# Altium PCB Coral Dev Board Micro.PcbDoc (part 4 of 6) (continued)
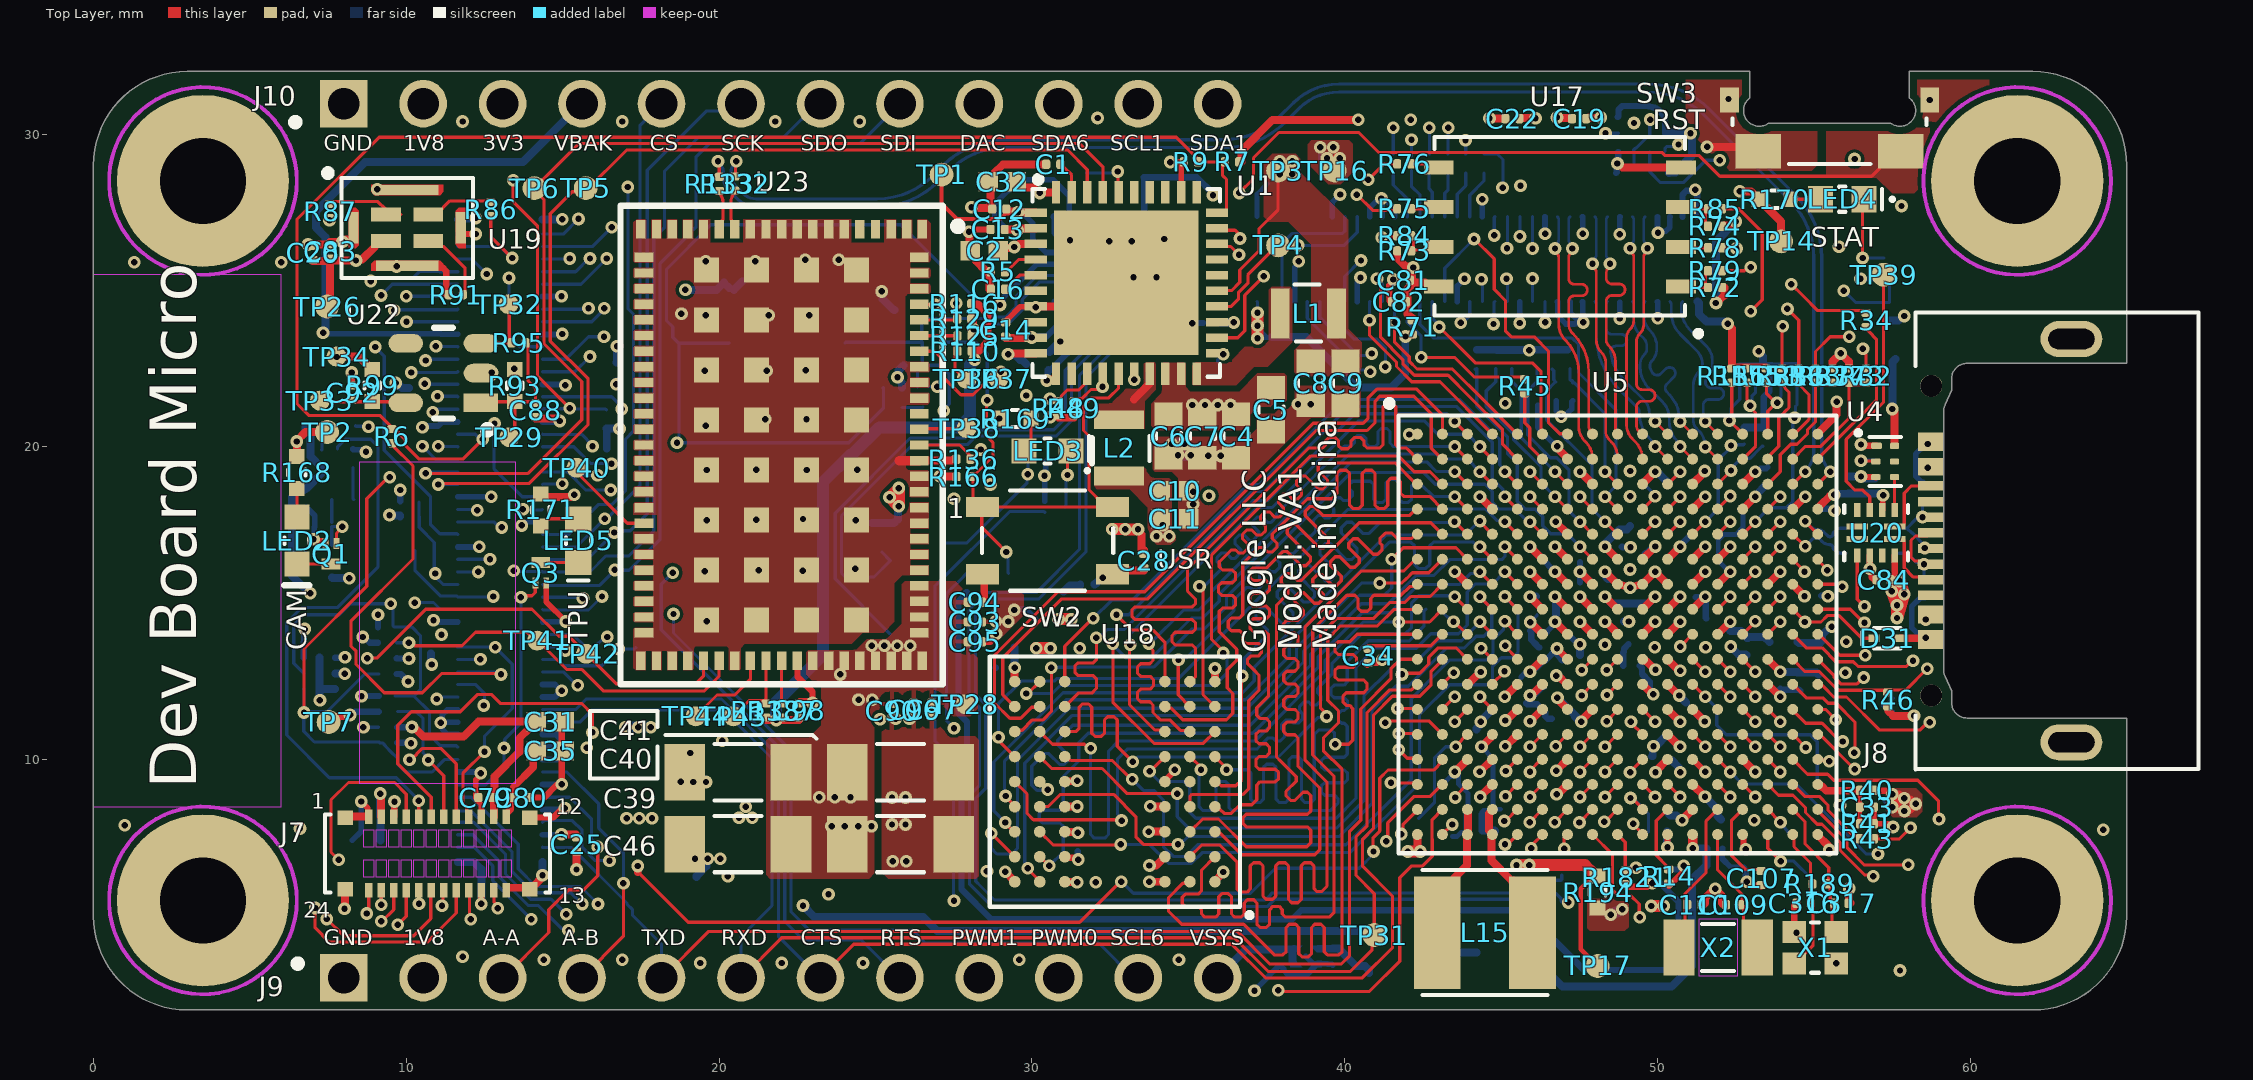
[diagram p0: Top Layer view]
## Nets (pads, with @x,y where several pads share a name; then routed paths per layer and width w, separated by ;. In a path a pad name is that pad's centre, name@x,y a point inside that pad or via, vN(x,y) a via of type N, cw(c..) or ccw(c..) an arc to the next point about the centre after c; other vN are vias at no path point) (continued)
MCM_1V8_R: C92.1 R99.1 TP33.1 U22.5 | length 2.7
  Top Layer w0.102: TP33.1@7.273,21.442 U22.5@9.949,21.442
MCM_3V3: C39.1 C40.1 C41.1 C42.1 C43.1 C44.1 C46.1 C90.1 C91.1 C93.1 C94.1 C95.1 C96.1 C97.1 C251.1 J6.6 R22.2 R93.1 R171.2 TP28.1 U5.D16 U23.56 U23.57 U23.58 U23.59 U23.60 U23.61 U23.62 U23.63 U23.64 U23.65 U23.66 U23.67 | length 84.8
  Top Layer w0.254: R171.2@14.3,18.496 14.406,18.39 15.25,18.39 15.326,18.466 v1(15.367,18.466) ; U5.D16@54.322,18.008 v1(54.722,18.408)
  L4 w0.381: v1@13.449,22.441 13.449,21.12 15.481,19.088 15.481,18.587 15.367,18.473 v1(15.367,18.466) ; v1(13.449,22.492) 13.449,22.499 13.462,22.511 13.462,24.498 14.478,25.514 18.337,25.514 18.565,25.743 18.99,25.743 19.295,25.438 24.036,25.438 24.163,25.565 25.783,25.565 26.27,25.078 26.27,20.123 24.943,18.796 24.943,17.59 25.667,16.866 27.447,16.866 29.324,18.743 29.324,19.281 29.805,19.761 30.094,19.761 31.077,20.744 31.077,22.833 31.42,23.176 31.42,24.308 31.979,24.867 37.44,24.867 40.945,21.361 43.764,21.361 44.729,20.396 45.533,20.396 ; v1(23.597,7.874) v1(24.021,7.874) v1(24.443,7.874) v1(24.872,7.874)
  L3 w0.381: v1(23.597,7.874) v1(24.021,7.874) v1(24.443,7.874) v1(24.872,7.874) ; v1(24.879,13.64) v1(25.286,13.64) v1(25.692,13.64) v1(26.111,13.64)
  L6 w0.381: v1(23.597,7.874) v1(24.021,7.874) v1(24.443,7.874) v1(24.872,7.874) ; v1(24.879,13.64) v1(25.286,13.64) v1(25.692,13.64) v1(26.111,13.64)
  L5 w0.381: v1(23.597,7.874) v1(24.021,7.874) v1(24.443,7.874) v1(24.872,7.874) ; v1(24.879,13.64) v1(25.286,13.64) v1(25.692,13.64) v1(26.111,13.64)
  Bottom Layer w0.102: R22.2@25.476,14.014 23.711,15.78 23.711,17.877 26.116,20.282 27.869,20.282 28.135,20.549 30.701,20.549 31.064,20.912 31.064,22.454 32.131,23.52 32.131,24.281 32.046,24.366 32.044,24.366 32,24.41 J6.6@32,24.645
  other v1: 23.2,8.8 23.7,8.8 24.2,8.8 24.46,11.913 24.892,11.913 23.876,12.725
MCM_3V3_SENSE: J6.8 R22.1 U21.4 | length 17
  Bottom Layer w0.102: R22.1@25.203,16.637 R22.1@25.476,16.364 24.952,15.84 24.826,15.84 24.734,15.748 24.13,15.748 23.914,15.964 23.914,17.793 26.2,20.079 27.953,20.079 28.219,20.345 30.785,20.345 31.267,20.828 31.267,22.369 32.334,23.436 32.334,24.306 32.356,24.328 32.356,24.601 J6.8@32.4,24.645
MCM_AON: R137.1 U23.54 | length 1.2
  Top Layer w0.102: 21.996,11.941 21.996,13.155 U23.54@22,13.158
MCM_AON_PMIC_EN: R138.1 TP43.1 U23.53 | length 2.5
  Top Layer w0.102: TP43.1@20.456,11.385 20.456,11.389 20.955,11.887 21.478,11.887 R138.1@21.498,11.867 ; R138.1@21.462,11.903 21.5,11.941 U23.53@21.5,13.158
MCM_BT_PHY_PRG: R116.1 R129.2 TP35.1 U23.84 | length 1.8
  Top Layer w0.102: U23.84@26.4,24.058 R129.2@27.538,24.058 ; R129.2@27.538,24.092 27.538,24.575 27.551,24.587 v1(27.584,24.587)
  Bottom Layer w0.102: v1(27.584,24.587) 27.635,24.587 27.65,24.572 TP35.1@27.663,24.572
MCM_LDO_EN: R95.1 TP32.1 U22.3 | length 2.2
  Top Layer w0.102: U22.3@12.391,23.316 12.891,23.316 R95.1@13.284,23.316 ; U22.3@12.891,23.308 U22.3@12.899,23.316 ; TP32.1@13.271,24.562 13.294,24.539 13.294,23.326 R95.1@13.291,23.323
MCM_LDO_IN: C88.1 R93.2 R95.2 TP29.1 U22.1 | length 4.9
  Top Layer w0.102: U22.1@12.383,21.408 12.419,21.444 R93.2@13.469,21.444 13.469,20.624 13.297,20.452 TP29.1@13.297,20.307 ; R93.2@13.487,21.438 13.494,21.444 14.13,21.444 14.13,21.877 13.891,22.115 R95.2@13.891,23.323
MCM_SD_ALARM: TP37.1 U5.L4 U23.82 | length 24.9
  Top Layer w0.102: U23.82@26.4,23.058 26.903,23.058 27.076,22.885 27.076,22.321 27.732,21.666 28.118,21.666 28.548,22.096 28.7,22.096 v1(29.007,22.403) ; U5.L4@44.722,12.408 44.722,12.423 45.11,12.812 v1(45.11,12.827)
  L3 w0.102: v1(29.007,22.403) 29.065,22.461 29.202,22.461 29.219,22.478 30.624,22.478 32.248,20.853 35.797,20.853 36.601,20.049 36.601,19.341 40.881,15.062 41.997,15.062 43.313,13.747 43.403,13.747 43.942,13.208 44.659,13.208 45.04,12.827 v1(45.11,12.827)
MCM_USB2_D_N: R133.2 U23.14 | length 1.2
  Top Layer w0.102: U23.14@20,26.958 U23.14@20.033,26.992 ; R133.2@20.007,28.108 cw(c19.728,27.828) 20.123,27.828 20.123,27.775 20.123,27.284 cw(c20.082,27.284) 20.111,27.255 ccw(c20.14,27.226) 20.099,27.226 20.099,27.15 cw(c19.875,27.15) U23.14@20.034,26.992
MCM_USB2_D_P: R132.2 U23.13 | length 1.2
  Top Layer w0.102: U23.13@20.467,26.992 U23.13@20.5,26.958 ; U23.13@20.466,26.992 cw(c20.625,27.15) 20.401,27.15 20.401,27.226 ccw(c20.36,27.226) 20.389,27.255 cw(c20.418,27.284) 20.377,27.284 20.377,27.824 cw(c20.789,27.824) 20.497,28.114 cw(c20.789,27.824) R132.2@20.498,28.115
MCM_USB_SEL: R110.1 R125.2 TP36.1 U23.83 | length 2.7
  Top Layer w0.102: U23.83@26.4,23.558 26.406,23.552 27.54,23.552 27.546,23.546 R110.1@27.546,23.038 ; R110.1@27.546,23.063 27.546,22.476 27.848,22.174 TP36.1@27.915,22.174
MCU_DCDC_IN: C102.1 C277.1 C294.1 R194.2 R396.1 R397.1 TP17.1 U5.L5 U5.M5 U5.N5 | length 8.8
  Top Layer w0.102: R194.2@47.947,6.269 R194.2@47.947,6.363
  Top Layer w0.152: R194.2@47.947,6.269 47.544,5.867 47.544,3.942 TP17.1@48.082,3.404
  Top Layer w0.254: v1(45.119,12.014) 45.128,12.014 U5.L5@45.522,12.408 ; v1(45.136,10.427) 45.148,10.427 45.522,10.8 U5.N5@45.522,10.808 ; v1(45.136,11.252) 45.166,11.252 U5.M5@45.522,11.608
  Top Layer w0.381: v1(45.491,6.629) 47.681,6.629 R194.2@47.947,6.363
  L3 w0.381: v1(45.491,6.629) v1(45.898,6.629)
  L6 w0.381: v1(45.491,6.629) v1(45.898,6.629)
  L5 w0.381: v1(45.491,6.629) v1(45.898,6.629)
MIC_CH_SEL: R91.2 U19.3 | length 2
  Top Layer w0.102: U19.3@11.088,26.512 11.088,26.442 11.129,26.401 11.199,26.401 11.874,25.726 11.874,24.874 R91.2@11.882,24.867
MIC_CLK: J5.97 R86.1 U5.N6 | length 55.5
  Top Layer w0.102: R86.1@12.7,27.3 12.7,26.721 v1(13.386,26.035) ; v1(45.922,10.408) U5.N6@46.322,10.808
  L6 w0.102: v1(13.386,26.035) 13.779,25.641 17.234,25.641 18.44,26.848 26.618,26.848 27.61,27.839 27.61,27.844 27.833,28.067 29.591,28.067 30.302,27.356 34.169,27.356 35.591,28.778 36.925,28.778 38.398,27.305 40.5,27.305 40.652,27.153 41.326,27.153 42.574,25.904 42.574,24.641 42.327,24.393 42.327,23.592 42.824,23.094 42.824,15.265 43.263,14.827 46.042,14.827 46.33,14.539 46.33,10.816 v1(45.922,10.408)
  Bottom Layer w0.102: J5.97@11.645,26.4 13.002,26.4 13.367,26.035 v1(13.386,26.035)
MIC_CLK_R: R86.2 U19.2 | length 2.2
  Top Layer w0.102: U19.2@10.705,27.425 10.955,27.425 11.394,27.864 12.664,27.864 R86.2@12.7,27.9
MIPI_CSI_CK_N: J6.94 U5.A12 | length 5.8
  Top Layer w0.089: v1(50.722,20.808) U5.A12@51.122,20.408
  Bottom Layer w0.089: J6.94@49.6,24.645 ccw(c49.699,24.546) 49.559,24.546 49.559,24.222 ccw(c50.298,24.222) 49.776,23.699 cw(c49.294,23.218) 49.964,23.341 cw(c49.294,23.218) 49.975,23.218 49.975,23.131 cw(c49.414,23.131) 49.973,23.089 cw(c49.414,23.131) 49.962,23.012 cw(c49.414,23.131) 49.959,22.998 cw(c49.414,23.131) 49.811,22.734 ccw(c49.937,22.608) 49.759,22.608 49.759,22.592 49.759,22.555 ccw(c50.39,22.555) 49.759,22.53 49.815,22.401 ccw(c49.984,22.475) 50.114,22.345 50.256,22.486 cw(c50.386,22.356) 50.517,22.486 cw(c50.386,22.356) 50.517,22.226 50.302,22.011 ccw(c50.432,21.881) 50.302,21.751 50.389,21.663 50.587,21.385 cw(c49.663,20.937) 50.607,21.342 cw(c49.663,20.937) 50.614,21.324 cw(c49.663,20.937) 50.69,20.937 50.69,20.885 ccw(c50.799,20.885) 50.706,20.828 ccw(c50.799,20.885) v1(50.722,20.808)
MIPI_CSI_CK_P: J6.92 U5.B12 | length 5.8
  Top Layer w0.089: v1(50.722,20.008) U5.B12@51.122,19.608
  Bottom Layer w0.089: J6.92@49.2,24.645 cw(c49.101,24.546) 49.241,24.546 49.241,24.049 ccw(c49.881,24.049) 49.428,23.597 49.549,23.476 cw(c49.289,23.216) 49.657,23.216 49.657,23.133 cw(c49.41,23.133) 49.585,22.958 ccw(c49.932,22.61) 49.441,22.61 49.441,22.553 ccw(c50.384,22.553) 49.716,21.887 ccw(c50.384,22.553) 49.717,21.886 50.162,21.441 cw(c49.655,20.934) 50.372,20.934 50.372,20.839 ccw(c51.34,20.839) 50.656,20.154 50.666,20.144 cw(c50.53,20.008) v1(50.722,20.008)
MIPI_CSI_D0_N: J6.88 U5.A11 | length 5.8
  Top Layer w0.089: v1(49.922,20.808) U5.A11@50.322,20.408
  Bottom Layer w0.089: J6.88@48.4,24.645 ccw(c48.499,24.546) 48.359,24.546 48.359,24.028 48.359,23.781 ccw(c48.543,23.781) 48.543,23.597 48.836,23.597 cw(c48.836,23.413) 49.02,23.413 cw(c48.836,23.413) 48.836,23.229 48.684,23.229 ccw(c48.684,23.044) 48.504,23.004 48.578,22.676 ccw(c50.654,23.653) 48.599,22.631 ccw(c50.654,23.653) 48.653,22.53 ccw(c50.654,23.653) 49.031,22.031 49.578,21.484 cw(c49.204,21.109) 49.733,21.109 49.733,21.107 ccw(c49.947,21.107) 49.796,20.956 49.906,20.846 cw(c49.869,20.808) v1(49.922,20.808)
MIPI_CSI_D0_P: J6.86 U5.B11 | length 5.8
  Top Layer w0.089: v1(49.922,20.008) U5.B11@50.322,19.608
  Bottom Layer w0.089: J6.86@48,24.645 cw(c47.901,24.546) 48.041,24.546 48.041,23.587 ccw(c50.495,23.587) 48.76,21.852 49.352,21.26 cw(c49.199,21.107) 49.415,21.107 ccw(c50.654,21.107) 49.778,20.232 49.866,20.144 cw(c49.73,20.008) v1(49.922,20.008)
MIPI_CSI_D1_N: J6.100 U5.A13 | length 5.8
  Top Layer w0.089: v1(51.522,20.808) U5.A13@51.922,20.408
  Bottom Layer w0.089: J6.100@50.8,24.645 ccw(c50.899,24.546) 50.759,24.546 50.759,24.418 ccw(c51.723,24.418) 51.041,23.736 51.579,23.199 cw(c51.159,22.778) 51.753,22.778 51.753,22.637 cw(c51.176,22.637) 51.723,22.454 cw(c51.176,22.637) 51.706,22.409 51.584,22.229 51.546,22.138 ccw(c51.716,22.067) 51.716,21.883 51.935,21.883 cw(c51.935,21.699) 52.119,21.699 cw(c51.935,21.699) 51.935,21.515 51.645,21.515 ccw(c51.645,21.33) 51.46,21.33 51.46,21.019 ; 51.461,21.018 51.461,20.943 ccw(c51.641,20.943) 51.463,20.917 ccw(c51.641,20.943) 51.514,20.816 v1(51.522,20.808)
MIPI_CSI_D1_P: J6.98 U5.B13 | length 5.7
  Top Layer w0.089: v1(51.53,19.996) v1(51.53,19.996) 51.92,19.608 U5.B13@51.922,19.608
  Bottom Layer w0.089: J6.98@50.4,24.645 cw(c50.301,24.546) 50.441,24.546 50.441,24.286 ccw(c51.405,24.286) 50.556,23.83 ccw(c51.405,24.286) 50.723,23.605 ; 50.727,23.601 51.261,23.067 cw(c50.841,22.647) 51.435,22.647 51.435,22.638 cw(c51.175,22.638) 51.359,22.454 ; 51.358,22.453 ccw(c51.879,21.932) 51.142,21.934 ccw(c51.879,21.932) 51.142,21.932 51.142,20.846 ccw(c51.515,20.846) 51.252,20.582 51.347,20.487 cw(c50.782,19.996) v1(51.53,19.996)
MIPI_DSI_CK_N: J6.87 U5.A9 | length 7.8
  Top Layer w0.089: v1(48.479,25.857) cw(c48.274,25.856) 48.419,25.711 ccw(c48.565,25.566) 48.402,25.691 ccw(c48.565,25.566) 48.376,25.647 48.359,25.566 48.359,25.392 ccw(c48.543,25.392) 48.543,25.208 48.776,25.208 cw(c48.776,25.023) 48.961,25.023 cw(c48.776,25.023) 48.776,24.839 48.543,24.839 ccw(c48.543,24.655) 48.359,24.655 48.359,23.505 48.359,23.436 ccw(c48.659,23.436) 48.447,23.225 48.448,23.224 cw(c47.936,22.711) 48.66,22.711 48.66,20.558 ccw(c48.872,20.558) 48.686,20.456 ccw(c48.872,20.558) U5.A9@48.722,20.408
  Bottom Layer w0.089: J6.87@48.4,27.355 ccw(c48.499,27.256) 48.359,27.256 48.359,26.149 ccw(c48.565,26.149) v1@48.419,26.003
MIPI_DSI_CK_P: J6.85 U5.B9 | length 7.9
  Top Layer w0.089: v1(47.921,25.857) ccw(c48.126,25.856) 47.981,25.711 cw(c47.835,25.566) 48.041,25.566 48.041,23.435 ccw(c48.656,23.435) 48.221,23 ; 48.222,23 cw(c47.932,22.71) 48.342,22.71 48.342,20.513 ccw(c48.764,20.513) 48.466,20.215 ccw(c48.722,20.408) 48.525,20.155 cw(c48.47,20.085) 48.532,20.149 cw(c48.073,19.69) 48.722,19.69 U5.B9@48.722,19.608
  Bottom Layer w0.089: v1@47.981,26.003 ccw(c47.835,26.149) 48.041,26.149 48.041,27.256 ccw(c47.901,27.256) J6.85@48,27.355
MIPI_DSI_D0_N: J6.81 U5.A8 | length 7.9
  Top Layer w0.089: v1(47.279,26.34) cw(c47.074,26.339) 47.219,26.194 ccw(c47.365,26.048) 47.159,26.048 47.159,26.01 47.159,25.381 ccw(c47.343,25.381) 47.343,25.197 47.571,25.197 cw(c47.571,25.013) 47.755,25.013 cw(c47.571,25.013) 47.571,24.829 47.343,24.829 ccw(c47.343,24.645) 47.159,24.645 47.159,24.232 47.159,23.937 ccw(c47.61,23.937) 47.291,23.618 47.294,23.615 cw(c46.065,22.387) 47.803,22.387 47.803,20.637 ccw(c47.916,20.637) 47.836,20.558 47.877,20.516 cw(c47.769,20.408) U5.A8@47.922,20.408
  Bottom Layer w0.089: J6.81@47.2,27.355 ccw(c47.299,27.256) 47.159,27.256 47.159,26.631 ccw(c47.365,26.631) v1@47.219,26.486
MIPI_DSI_D0_P: J6.79 U5.B8 | length 8
  Top Layer w0.089: v1(46.721,26.34) ccw(c46.926,26.339) 46.781,26.194 cw(c46.635,26.048) 46.841,26.048 46.841,23.935 ccw(c47.604,23.935) 47.064,23.395 47.066,23.393 cw(c46.056,22.383) 47.485,22.383 47.485,20.637 ccw(c48.115,20.637) 47.669,20.192 47.703,20.158 cw(c47.176,19.63) 47.922,19.63 U5.B8@47.922,19.608
  Bottom Layer w0.089: v1@46.781,26.486 ccw(c46.635,26.631) 46.841,26.631 46.841,27.256 ccw(c46.701,27.256) J6.79@46.8,27.355
MIPI_DSI_D1_N: J6.93 U5.A10 | length 7.9
  Top Layer w0.089: U5.A10@49.522,20.408 cw(c49.522,20.475) 49.474,20.428 49.416,20.487 cw(c49.63,20.701) 49.355,20.574 cw(c49.63,20.701) 49.327,20.701 49.327,20.777 49.327,20.861 49.327,21.274 cw(c49.511,21.274) 49.511,21.458 49.738,21.458 ccw(c49.738,21.643) 49.923,21.643 ccw(c49.738,21.643) 49.738,21.827 49.511,21.827 cw(c49.511,22.011) 49.327,22.011 49.327,22.268 49.327,23.35 cw(c49.723,23.35) 49.443,23.63 ccw(c49.163,23.911) 49.559,23.911 49.559,26.061 cw(c49.765,26.061) 49.619,26.206 ccw(c49.474,26.352) v1(49.679,26.352)
  Bottom Layer w0.089: J6.93@49.6,27.355 ccw(c49.699,27.256) 49.559,27.256 49.559,26.644 ccw(c49.765,26.644) v1@49.619,26.499
MIPI_DSI_D1_P: J6.91 U5.B10 | length 7.9
  Top Layer w0.089: v1(49.121,26.352) ccw(c49.326,26.352) 49.181,26.206 cw(c49.035,26.061) 49.241,26.061 49.241,24.042 cw(c48.845,24.042) 49.125,23.762 ccw(c49.405,23.482) 49.009,23.482 49.009,20.7 ccw(c49.627,20.7) 49.19,20.263 49.294,20.158 cw(c48.744,19.608) U5.B10@49.522,19.608
  Bottom Layer w0.089: v1@49.181,26.499 ccw(c49.035,26.644) 49.241,26.644 49.241,27.256 ccw(c49.101,27.256) J6.91@49.2,27.355
NetC34_1: C34.1 U5.J2 | length 2.6
  Top Layer w0.102: C34.1@40.678,13.589 40.703,13.614 40.729,13.64 42.754,13.64 U5.J2@43.122,14.008
NetC57_1: C57.1 C63.1 C74.1 C269.1 R117.1 U5.K8 U5.K9 U5.L8 | length 2.2
  Top Layer w0.102: v1(47.574,12.05) 47.574,12.06 U5.L8@47.922,12.408 ; v1(47.579,12.865) U5.K8@47.922,13.208 ; v1(48.374,12.865) 48.379,12.865 U5.K9@48.722,13.208
  Bottom Layer w0.2: C269.1@48.903,13.005 48.903,13.423 48.931,13.451 48.931,13.553 R117.1@49.069,13.691
NetC242_1: C242.1 R375.2 U5.D14 | length 1.1
  Top Layer w0.254: U5.D14@52.722,18.008 v1(53.122,18.408)
  Bottom Layer w0.102: v1(53.122,18.408) R375.2@53.122,18.438 ; C242.1@53.492,18.808 C242.1@53.522,18.808
  Bottom Layer w0.254: R375.2@53.122,18.438 C242.1@53.492,18.808
NetQ4_3: Q4.3 R31.1 | length 1.3
  Bottom Layer w0.102: R31.1@25.852,21.26 25.927,21.261 26.266,21.261 Q4.3@26.515,21.27 26.504,21.26 R31.1@25.903,21.26
NetR12_1: R12.1 R13.1 U3.1 | length 1.2
  Bottom Layer w0.102: U3.1@7.298,19.909 7.302,19.914 7.302,20.663 7.307,20.667 7.315,20.676 R12.1@7.772,20.676
NetTP8_1: TP8.1 U1.36 | length 1.6
  Top Layer w0.102: v1(32.743,28.801) 32.756,28.787 32.756,28.241 U1.36@32.768,28.23
  Bottom Layer w0.102: TP8.1@31.75,28.75 32.692,28.75 v1(32.743,28.801)
NetTP40_1: TP40.1 U23.37 | length 3
  Top Layer w0.102: TP40.1@15.443,19.329 15.443,19.185 15.602,19.027 17.07,17.558 U23.37@17.6,17.558
NetTP44_1: TP44.1 U23.52 | length 2.8
  Top Layer w0.102: TP44.1@19.254,11.385 19.935,12.065 20.498,12.065 21,12.567 U23.52@21,13.158
ONOFF: J5.30 U5.U10 | length 42.2
  Top Layer w0.102: v1(49.225,7.95) 49.225,7.928 49.522,7.631 U5.U10@49.522,7.608
  L3 w0.102: v1(15.481,12.383) 21.374,12.383 22.301,11.455 23.444,11.455 24.257,12.268 26.747,12.268 28.143,10.872 28.143,10.393 28.63,9.906 32.055,9.906 32.537,10.389 34.468,10.389 34.925,9.931 34.925,9.576 35.611,8.89 36.347,8.89 40.056,5.182 44.217,5.182 44.522,4.877 47.374,4.877 47.701,5.204 47.701,5.944 49.225,7.468 v1(49.225,7.95)
  Bottom Layer w0.102: J5.30@14.355,12.8 15.038,12.8 15.456,12.383 v1(15.481,12.383)
OTG1_D_N: L7.2 U5.E16 | length 2.2
  Top Layer w0.102: U5.E16@54.322,17.208 v1@54.717,16.813
  Bottom Layer w0.102: v1(54.724,16.821) 54.945,17.042 cw(c55.07,16.916) 55.07,17.094 cw(c55.07,16.916) 55.196,17.042 55.269,16.969 ccw(c55.5,17.201) 55.5,16.873 cw(c55.5,16.743) 55.592,16.835 cw(c55.54,16.783) 55.614,16.783 ccw(c55.688,16.783) L7.2@55.636,16.731 ; L7.2@55.636,16.731 L7.2@55.69,16.676 ; L7.2@55.69,16.676 ccw(c55.874,16.86) 55.874,16.6 L7.2@56.02,16.6
OTG1_D_P: L7.3 U5.E17 | length 2.2
  Top Layer w0.102: v1@54.722,17.608 U5.E17@55.122,17.208
  Bottom Layer w0.102: v1(54.724,17.621) 54.908,17.437 ccw(c55.123,17.652) 55.123,17.348 cw(c55.123,17.043) 55.338,17.259 55.44,17.157 ; 55.44,17.157 ccw(c55.512,17.229) 55.512,17.127 ccw(c55.512,17.229) 55.584,17.157 55.592,17.165 ccw(c55.54,17.217) 55.614,17.217 cw(c55.688,17.217) L7.3@55.636,17.269 ; L7.3@55.636,17.269 L7.3@55.69,17.324 ; L7.3@55.69,17.324 cw(c55.874,17.14) 55.874,17.4 L7.3@56.02,17.4
PMIC_ON_REQ: J5.29 R6.1 R1821.1 TP13.1 U5.U9 | length 57.4
  Top Layer w0.102: R6.1@9.54,20.04 9.565,20.04 10.216,19.39 10.216,16.413 8.23,14.427 8.23,13.633 8.395,13.468 8.395,13.043 9.296,12.141 10.516,12.141 11.125,12.751 13.005,12.751 v1(13.03,12.725) ; U5.U9@48.722,7.608 48.971,7.359 48.971,6.54 v1(49.31,6.541)
  L3 w0.102: v1(13.03,12.725) 14.249,11.506 19.152,11.506 20.058,10.6 v1(20.1,10.6) 21.252,10.6 22.377,9.474 29.337,9.474 30.683,8.128 32.055,8.128 32.36,8.433 33.223,8.433 33.503,8.153 36.246,8.153 39.624,4.775 44.049,4.775 44.353,4.47 47.542,4.47 48.146,5.074 48.146,5.377 v1(49.31,6.541)
  Bottom Layer w0.102: J5.29@11.645,12.8 12.873,12.8 12.948,12.725 v1(13.03,12.725)
PMIC_STBY_REQ: J5.32 TP12.1 U5.T9 | length 40.4
  Top Layer w0.102: v1(48.298,8.014) 48.328,8.014 U5.T9@48.722,8.408
  L3 w0.102: v1(16.789,13.538) 16.848,13.48 16.983,13.48 17.001,13.462 24.267,13.462 24.749,12.979 27.254,12.979 28.194,12.04 29.312,10.922 31.012,10.922 31.266,11.176 35.548,11.176 38.092,8.632 38.092,8.16 40.461,5.791 44.602,5.791 44.729,5.664 46.32,5.664 48.298,7.643 v1(48.298,8.014)
  Bottom Layer w0.102: J5.32@14.355,13.2 14.842,13.2 15.038,13.003 16.254,13.003 v1(16.789,13.538) 17.297,13.538 TP12.1@17.348,13.589
POR_B: C115.1 J5.60 R215.1 SW3.1 U1.22 U5.T10 | length 88.2
  Top Layer w0.102: U1.22@35.92,23.49 36.585,23.49 36.805,23.709 36.805,24.841 v1(37.414,25.451) ; v1(36.627,28.118) 37.084,28.575 37.084,29.235 37.897,30.048 40.447,30.048 41.082,29.413 50.14,29.413 50.241,29.312 51.333,29.312 51.994,28.651 56.845,28.651 57.101,28.907 57.101,29.312 SW3.1@57.368,29.579 ; v1(49.136,8.776) 49.174,8.776 49.522,8.428 U5.T10@49.522,8.408
  L3 w0.102: v1(37.414,25.451) 37.437,25.451 38.014,24.874 38.014,22.763 40.869,19.909 42.87,19.909 43.368,20.406 44.464,20.406 45.04,19.83 45.996,19.83 46.355,19.471 46.355,18.237 46.54,18.052 46.801,18.052 47.122,17.732 47.122,16.612 47.37,16.364 47.669,16.364 47.944,16.089 47.944,15.083 48.219,14.808 48.425,14.808 48.678,14.555 48.678,14.224 49.251,13.651 49.251,12.217 49.505,11.963 49.505,9.144 v1(49.136,8.776)
  L6 w0.102: v1(14.986,18.821) 15.799,18.821 17.46,17.16 27.422,17.16 28.118,17.856 34.696,17.856 34.9,17.653 35.763,17.653 38.075,19.964 38.075,24.79 v1(37.414,25.451) 37.414,27.33 v1(36.627,28.118)
  Bottom Layer w0.102: J5.60@14.355,18.8 14.366,18.811 14.975,18.811 v1(14.986,18.821) ; v1(49.136,8.776) 49.212,8.776 C115.1@49.708,8.28 ; R215.1@49.708,7.696 C115.1@49.708,8.255
PRIVACY_ENABLE: D5.A U3.4 | length 1
  Bottom Layer w0.102: U3.4@8.298,19.334 8.298,18.336 D5.A@8.32,18.313
PRIVACY_ENABLE_FILT: C36.1 D5.K Q1.1 R11.2 | length 2.3
  Top Layer w0.102: Q1.1@7.77,16.906 7.77,17.233 7.95,17.414 v1(7.95,17.45)
  Bottom Layer w0.102: R11.2@7.62,16.853 7.62,17.45 v1(7.95,17.45) ; C36.1@7.62,17.577 D5.K@7.62,18.313
PRIVACY_OVERRIDE: R12.2 U5.M2 | length 45.1
  Top Layer w0.102: U5.M2@43.122,11.608 v1(43.522,12.008)
  L3 w0.102: v1(8.792,20.641) 8.802,20.641 9.103,20.34 9.103,18.75 9.662,18.191 11.613,18.191 12.344,18.923 14.351,18.923 15.824,20.396 16.358,20.396 16.535,20.218 17.247,20.218 18.059,21.031 20.066,21.031 20.574,20.523 24.892,20.523 25.883,21.514 27.33,21.514 27.534,21.311 27.534,19.406 28.524,18.415 31.575,18.415 32.083,18.923 35.682,18.923 40.99,13.614 41.856,13.614 43.463,12.008 v1(43.522,12.008)
  Bottom Layer w0.102: R12.2@8.372,20.676 8.389,20.659 8.775,20.659 v1(8.792,20.641)
QSPI_1V8: C81.1 C82.1 R71.1 R72.2 R73.2 R74.2 U17.8 | length 7.5
  Top Layer w0.254: R73.2@41.677,26.264 41.68,26.261 41.68,26.036 41.953,25.763 42.164,25.763 v1(42.193,25.734) 42.193,25.698 42.17,25.675 42.146,25.651 42.146,25.364 42.25,25.26 42.56,25.26 42.725,25.095 U17.8@42.975,25.095 ; C81.1@42.116,25.276 42.116,25.156 42.012,25.051 42.012,24.758 42.005,24.751 42.005,24.641 42.002,24.638 42.005,24.635 42.005,24.525 42.012,24.518 42.012,24.249 42.143,24.117 R71.1@42.164,24.117 ; v1(51.867,24.6) 51.892,24.6 52.137,24.844 R72.2@52.137,25.095 ; R74.2@52.137,27.051 52.137,27.072 52.139,27.074 52.331,27.074 52.461,27.203 v1(52.502,27.203)
  L5 w0.254: v1@42.164,25.763 v1(42.193,25.734) ; v1(52.502,27.203) v1@52.502,27.245
  Bottom Layer w0.254: v1(51.867,24.6) 51.867,26.568 v1(52.502,27.203)
RGMII1_PHY_INTB: J6.40 U5.K3 | length 16.6
  Top Layer w0.102: v1(41.834,12.725) 41.872,12.763 42.394,12.763 42.688,13.057 42.688,13.268 42.993,13.574 43.556,13.574 U5.K3@43.922,13.208
  L6 w0.102: v1(40.813,22.403) 40.183,21.773 40.183,14.742 41.778,13.147 41.778,12.781 v1(41.834,12.725)
  Bottom Layer w0.102: J6.40@38.8,24.645 38.8,24.116 40.457,22.459 40.757,22.459 v1(40.813,22.403)
RT_CLK1_N: TP22.1 U5.T15 | length 1.2
  Top Layer w0.102: U5.T15@53.522,8.408 v1(53.929,8.001)
  Bottom Layer w0.102: v1(53.929,8.001) TP22.1@54.305,7.518
RT_CLK1_P: TP23.1 U5.U15 | length 2.3
  Top Layer w0.102: U5.U15@53.522,7.608 53.522,7.169 v1(53.934,6.756)
  Bottom Layer w0.102: v1(53.934,6.756) 54.356,6.756 TP23.1@54.94,6.172
RT_DCDC_L_1: L15.1 U5.T3 U5.U3 | length 4.3
  Top Layer w0.254: L15.1@42.908,4.47 43.454,5.017 43.454,6.167 43.904,6.617 43.904,7.59 U5.U3@43.922,7.608 ; U5.U3@43.922,7.634 43.94,7.652 43.94,7.694 43.942,7.696 43.942,8.362 43.922,8.382 U5.T3@43.922,8.408
RT_DCDC_L_2: L15.2 U5.T4 U5.U4 | length 4.6
  Top Layer w0.254: U5.T4@44.722,8.408 44.722,8.382 44.615,8.275 44.615,7.741 44.722,7.634 U5.U4@44.722,7.608 44.691,7.577 44.691,6.779 45.327,6.143 45.385,6.143 45.881,5.647 L15.2@45.881,4.47
RT_DCDC_MODE: C287.1 R397.2 R398.2 U5.N4 | length 4.2
  Top Layer w0.254: v1(44.374,10.414) 44.674,10.714 44.674,10.734 44.722,10.782 U5.N4@44.722,10.808
  Bottom Layer w0.15: v1(44.374,10.414) 44.739,10.049 44.739,8.399 44.692,8.352 44.804,8.352 44.871,8.419 44.983,8.419
  Bottom Layer w0.2: R398.2@44.412,8.322 44.442,8.352 44.692,8.352
  Bottom Layer w0.254: R397.2@44.412,7.736 44.415,7.733 44.794,7.733 44.801,7.725 ; R397.2@44.412,7.81 R398.2@44.412,8.247
RT_TEST_MODE: R14.1 U5.T11 | length 2.2
  Top Layer w0.102: U5.T11@50.322,8.408 49.962,8.048 49.962,6.938 50.331,6.569 R14.1@50.355,6.569
RT_XTALI: C316.2 R189.2 U5.U16 X1.1 | length 4.7
  Top Layer w0.102: U5.U16@54.322,7.608 54.365,7.565 54.365,7.22 54.889,6.695 54.889,6.041 54.875,6.027 54.889,6.012 54.889,5.486 54.966,5.41 54.966,4.051 54.689,3.774 54.653,3.774 X1.1@54.367,3.488
RT_XTALO: C317.1 R189.1 U5.T16 X1.3 | length 4.5
  Top Layer w0.102: U5.T16@54.322,8.408 54.716,8.014 54.716,7.305 55.475,6.547 55.475,6.002 55.524,5.952 55.524,5.461 55.575,5.41 55.575,4.629 X1.3@55.717,4.488
RTC_XTALI: C110.1 U5.T13 X2.1 | length 4.7
  Top Layer w0.102: X2.1@50.878,4.188 50.878,5.717 51.555,6.394 51.555,8.041 U5.T13@51.922,8.408
RTC_XTALO: C109.1 U5.U13 X2.2 | length 4.1
  Top Layer w0.102: U5.U13@51.922,7.608 51.922,6.473 52.705,5.69 52.705,5.375 52.749,5.331 52.749,4.432 X2.2@53.185,3.995
SAI2_MCLK: J5.66 U5.M1 | length 32.2
  Top Layer w0.102: v1(41.686,11.633) 42.296,11.633 U5.M1@42.322,11.608
  L3 w0.102: v1(16.561,19.456) 16.582,19.456 16.773,19.647 25.464,19.647 26.162,18.949 26.162,18.009 26.848,17.323 30.023,17.323 30.363,16.982 32.826,16.982 32.828,16.98 32.956,16.98 33.67,16.266 36.489,16.266 41.122,11.633 v1(41.686,11.633)
  Bottom Layer w0.102: J5.66@14.355,20 15.357,20 15.888,19.469 16.548,19.469 v1(16.561,19.456)
SAI2_RX_BCLK: J5.42 U5.T1 | length 32
  Top Layer w0.102: v1(41.808,7.62) 41.867,7.678 41.867,7.932 42.322,8.388 U5.T1@42.322,8.408
  L3 w0.102: v1(15.646,15.164) 16.078,15.596 20.193,15.596 20.726,15.062 27.153,15.062 28.677,13.538 29.464,13.538 30.47,12.532 36.113,12.532 37.109,11.536 40.746,7.899 41.529,7.899 v1(41.808,7.62)
  Bottom Layer w0.102: J5.42@14.355,15.2 14.366,15.189 15.621,15.189 v1(15.646,15.164)
SAI2_RX_DATA: J5.68 U5.M3 | length 34.8
  Top Layer w0.102: v1(43.522,11.208) U5.M3@43.922,11.608
  L3 w0.102: v1(15.951,20.015) 17.577,20.015 18.136,20.574 19.075,20.574 19.431,20.218 25.781,20.218 26.67,19.329 26.67,18.224 27.038,17.856 31.826,17.856 32.029,18.059 34.465,18.059 35.75,16.774 36.699,16.774 41.256,12.217 42.113,12.217 43.123,11.208 v1(43.522,11.208)
  Bottom Layer w0.102: J5.68@14.355,20.4 14.359,20.396 15.605,20.396 15.951,20.05 v1(15.951,20.015)
SAI2_RX_SYNC: J5.62 U5.N1 | length 31.7
  Top Layer w0.102: v1(41.732,10.833) 42.246,10.833 42.296,10.782 U5.N1@42.322,10.808
  L3 w0.102: v1(16.535,18.618) 16.586,18.567 23.978,18.567 25.857,16.688 28.423,16.688 28.931,16.18 29.558,16.18 29.748,16.371 32.704,16.371 34.114,14.961 36.932,14.961 41.097,10.795 41.694,10.795 v1(41.732,10.833)
  Bottom Layer w0.102: J5.62@14.355,19.2 15.164,19.2 15.745,18.618 v1(16.535,18.618)
SAI2_TX_BCLK: J5.64 U5.N2 | length 32.5
  Top Layer w0.102: v1(41.3,11.176) 41.364,11.239 42.691,11.239 U5.N2@43.122,10.808
  L3 w0.102: v1(16.116,19.088) 16.129,19.075 16.617,19.075 16.815,18.877 24.099,18.877 25.959,17.018 29.796,17.018 30.139,16.675 32.83,16.675 33.544,15.961 36.363,15.961 41.09,11.234 41.242,11.234 v1(41.3,11.176)
  Bottom Layer w0.102: J5.64@14.355,19.6 15.195,19.6 15.707,19.088 v1(16.116,19.088)
SAI2_TX_DATA: J5.53 U5.P1 | length 35
  Top Layer w0.102: v1(41.732,10.312) 41.999,10.046 42.284,10.046 U5.P1@42.322,10.008
  L6 w0.102: v1(13.056,17.424) 13.576,16.904 27.749,16.904 28.133,17.287 32.146,17.287 32.444,16.989 32.449,16.989 32.751,16.688 36.678,16.688 40.894,12.471 40.894,10.986 41.509,10.371 41.674,10.371 v1(41.732,10.312)
  Bottom Layer w0.102: J5.53@11.645,17.6 12.798,17.6 12.973,17.424 v1(13.056,17.424)
SAI2_TX_SYNC: J5.40 U5.R2 | length 33.3
  Top Layer w0.102: v1(41.326,7.391) 41.377,7.442 41.377,7.979 42.224,8.826 42.741,8.826 U5.R2@43.122,9.208
  L3 w0.102: v1(16.256,15.215) 16.314,15.273 16.45,15.273 16.468,15.291 20.067,15.291 20.6,14.757 27,14.757 29.261,12.497 29.977,12.497 30.257,12.217 35.997,12.217 40.795,7.42 41.297,7.42 v1(41.326,7.391)
  Bottom Layer w0.102: J5.40@14.355,14.8 14.372,14.783 15.824,14.783 v1(16.256,15.215)
SDRAM_1V8: C223.1 C224.1 C233.1 C234.1 C267.1 C268.1 C297.1 C303.1 C304.1 FB6.2 R90.2 U18.A7 U18.A9 U18.B3 U18.C7 U18.D3 U18.E7 U18.J9 | length 5.7
  Top Layer w0.254: v1(29.146,6.42) 29.146,6.413 29.452,6.108 U18.A9@29.452,6.097 ; v1(29.451,12.941) 29.439,12.929 29.439,12.51 U18.J9@29.452,12.497 ; U18.A7@31.052,6.097 31.059,6.09 31.438,6.09 v1(31.445,6.083) ; U18.C7@31.052,7.697 31.067,7.681 31.455,7.681 v1(31.471,7.666) ; U18.E7@31.052,9.297 31.065,9.309 31.433,9.309 v1(31.445,9.322) ; v1(33.757,6.617) 33.972,6.617 U18.B3@34.252,6.897 ; v1(33.781,8.509) 34.24,8.509 U18.D3@34.252,8.497
  Top Layer w0.381: v1(30.137,13.564) v1(30.594,13.564)
  L3 w0.381: v1(30.137,13.564) v1(30.594,13.564)
  L6 w0.381: v1(30.137,13.564) v1(30.594,13.564)
  L5 w0.381: v1(30.137,13.564) v1(30.594,13.564)
  Bottom Layer w0.102: R90.2@31.513,13.558 v1(31.527,13.558)
  Bottom Layer w0.254: C224.1@29.446,13.592 29.449,13.59 29.449,12.944 v1(29.451,12.941)